# KiCad board panel.kicad_pcb (continued)
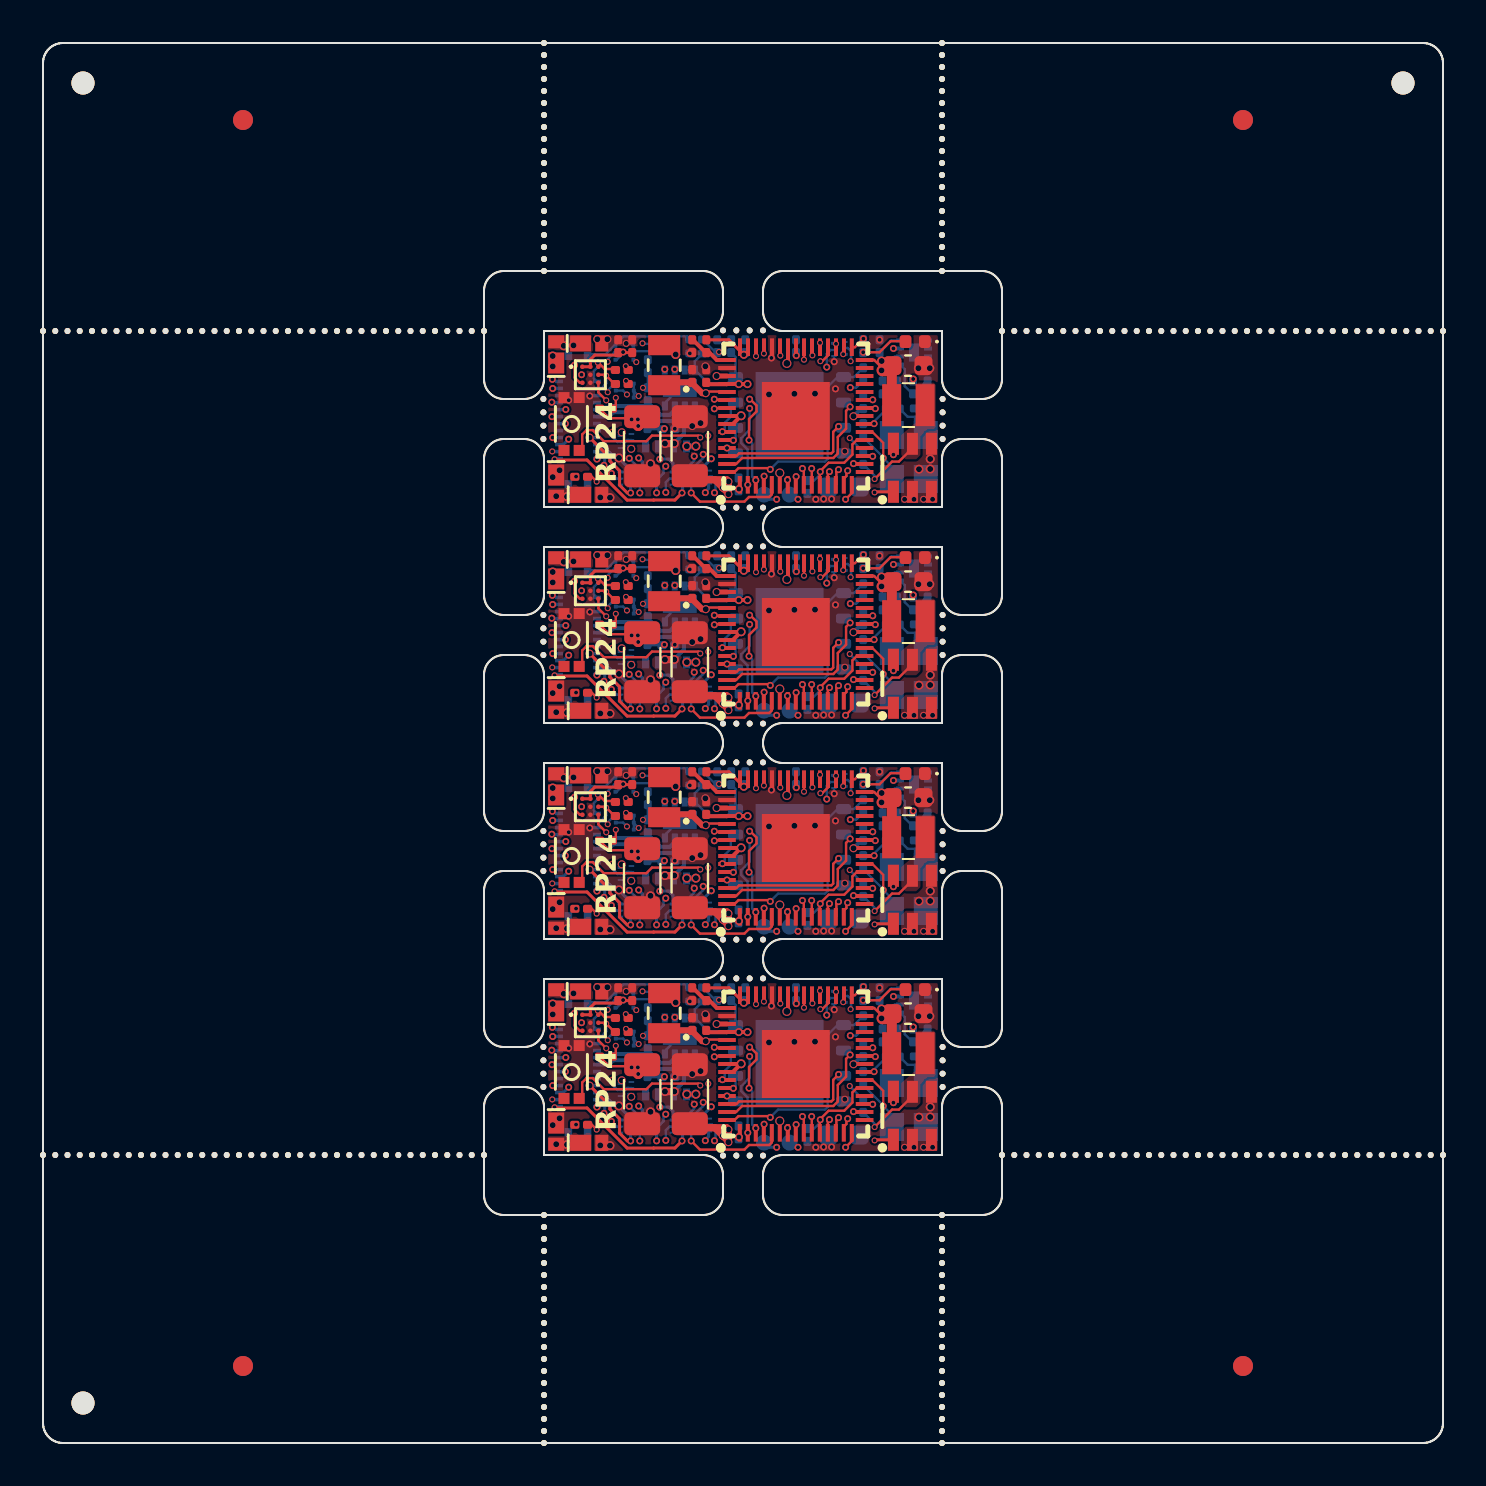
[diagram p0: board, top side]
## Nets (continued)
Board_2-Net-(Q3B-B2): Q3.5 Q4.3 R13.1
Board_2-Net-(Q3B-E2): Q3.4 Q4.5 R11#2.2
Board_2-Net-(Q4A-B1): Q4.2 R12.2
Board_2-Net-(R6-Pad2): R6#4.2 SW1#4.2
Board_2-Net-(U2-BST): C5.1 U2#2.6
Board_2-Net-(U4-GPIO19): R15#2.2 U4#2.31
Board_2-Net-(U4-VREG_AVDD): C14#4.1 R14#2.1 U4#2.46
Board_2-Net-(U4-VREG_LX): L2#2.1 U4#2.48
Board_2-unconnected-(SW1-Pad1): SW1#4.1
Board_2-unconnected-(U1-EP-Pad9): U1#4.9
Board_2-unconnected-(U1-IN+1-Pad3): U1#4.3
Board_2-unconnected-(U1-IN−1-Pad2): U1#4.2
Board_2-unconnected-(U1-OUT1-Pad1): U1#4.1
Board_2-unconnected-(U4-GPIO12-Pad16): U4#2.16
Board_2-unconnected-(U4-GPIO15-Pad19): U4#2.19
Board_2-unconnected-(U4-GPIO16-Pad27): U4#2.27
Board_2-unconnected-(U4-GPIO17-Pad28): U4#2.28
Board_2-unconnected-(U4-GPIO18-Pad29): U4#2.29
Board_2-unconnected-(U4-RUN-Pad26): U4#2.26
Board_2-VDC: D3.1 D4#2.1 D5#2.2 J3.17 R1.1
Board_3-+1V1: C9.1 C11#2.1 L2#4.2 U4#3.6 U4#3.23 U4#3.39 U4#3.50
Board_3-+3.3V: C1.2 C3#2.1 C7#2.1 C8#3.1 C10#2.2 C12#3.1 C13.1 C15#4.1 C16.1 C18#4.1 C19#4.1 C20#4.1 J3#4.18 L1#3.2 Q4#2.4 R3#4.1 R11.1 R14#4.2 U1#2.8 U2.1 U3.8 U4#3.1 U4#3.11 U4#3.20 U4#3.30 U4#3.38 U4#3.44 U4#3.45 U4#3.49 U4#3.53 U4#3.54 U5#2.A1 U5#2.A2 U6#2.7 U6#2.8
Board_3-/ADC_EMF_A: R16.1 R17#4.2 U4#3.42
Board_3-/ADC_EMF_B: R18#2.1 R19#4.2 U4#3.43
Board_3-/AUX1 (VDC): J3#4.11 Q5#3.6
Board_3-/AUX2 (VDC): J3#4.12 Q5#3.3
Board_3-/AUX3: J3#4.21 U4#3.18
Board_3-/AUX4: J3#4.20 U4#3.17
Board_3-/AUX5 (VDC): J3#4.16 Q8#2.6
Board_3-/AUX6 (VDC): J3#4.15 Q7.6
Board_3-/AUX7 (VDC): J3#4.14 Q8#2.3
Board_3-/AUX8 (VDC): J3#4.13 Q7.3
Board_3-/AUX10: J3#4.19 U4#3.14
Board_3-/AUX11: J3#4.23 U4#3.2
Board_3-/AUX12: J3#4.24 U4#3.3
Board_3-/CAP+: D6#3.2 J3#4.8 Q2.1 Q2.4
Board_3-/CAP_ENABLE: Q1#4.3 Q2.2 Q2.5 U4#3.32
Board_3-/CAP_VDC: C2.1 C17#2.1 D5.1 D6#3.1 Q2.3 Q2.6 U2.2 U2.3 U6#2.1
Board_3-/COMP_N: R3#4.2 R4#4.1 U1#2.6
Board_3-/COMP_P: R1#2.2 R2#3.1 U1#2.5
Board_3-/DCC_TTL: Q1#4.6 U4#3.33
Board_3-/GPIO2: Q8#2.2 U4#3.4
Board_3-/GPIO3: Q8#2.5 U4#3.5
Board_3-/GPIO4: Q7.5 U4#3.7
Board_3-/GPIO5: Q5#3.5 U4#3.8
Board_3-/GPIO6: Q6#2.5 U4#3.9
Board_3-/GPIO7: Q6#2.2 U4#3.10
Board_3-/GPIO8: Q5#3.2 U4#3.12
Board_3-/GPIO9: Q7.2 U4#3.13
Board_3-/GPIO25: U4#3.37 U6#2.6
Board_3-/GPIO26: U4#3.40 U6#2.5
Board_3-/I2S_BCLK: U4#3.35 U5#2.C1
Board_3-/I2S_DIN: U4#3.34 U5#2.B1
Board_3-/I2S_LRCLK: U4#3.36 U5#2.C3
Board_3-/LAMP_FRONT: J3#4.9 Q6#2.3
Board_3-/LAMP_REAR: J3#4.10 Q6#2.6
Board_3-/MOTOR_A: J3#4.6 J3#4.7 R16.2 U6#2.2
Board_3-/MOTOR_B: J3#4.4 J3#4.5 R18#2.2 U6#2.3
Board_3-/QSPI_CS: R6#2.1 U3.1 U4#3.60
Board_3-/QSPI_SCLK: U3.6 U4#3.56
Board_3-/QSPI_SD0: U3.5 U4#3.57
Board_3-/QSPI_SD1: U3.2 U4#3.59
Board_3-/QSPI_SD2: U3.3 U4#3.58
Board_3-/QSPI_SD3: U3.7 U4#3.55
Board_3-/RC_TX: R13#2.2 U4#3.15
Board_3-/SPEAKER_N: J3#4.2 R10#4.1 U5#2.B3
Board_3-/SPEAKER_P: J3#4.1 R9#2.1 U5#2.A3
Board_3-/SWCLK: J2#4.1 U4#3.24
Board_3-/SWDIO: J1.1 U4#3.25
Board_3-/SWITCH: C5#3.2 L1#3.1 U2.5
Board_3-/TRACK_LEFT: D1#4.1 D3#3.2 J3#4.X1A J3#4.X1B Q4#2.6 R7#4.2
Board_3-/TRACK_RIGHT: D2#2.1 D4#3.2 J3#4.X2A J3#4.X2B Q3#2.6
Board_3-/USB_N: R10#4.2 U4#3.52
Board_3-/USB_P: R9#2.2 U4#3.51
Board_3-/XIN: C6#2.1 U4#3.21 Y1#3.1
Board_3-/XOUT: R5#2.2 U4#3.22
Board_3-GND: C1.1 C2.2 C3#2.2 C4#4.2 C6#2.2 C7#2.2 C8#3.2 C9.2 C10#2.1 C11#2.2 C12#3.2 C13.2 C14.2 C15#4.2 C16.2 C17#2.2 C18#4.2 C19#4.2 C20#4.2 D1#4.2 D2#2.2 D7#4.1 J3#4.3 J3#4.22 Q1#4.1 Q1#4.4 Q4#2.1 Q5#3.1 Q5#3.4 Q6#2.1 Q6#2.4 Q7.1 Q7.4 Q8#2.1 Q8#2.4 R2#3.2 R4#4.2 R8.1 R17#4.1 R19#4.1 SW1.3 SW1.4 U1#2.4 U2.4 U3.4 U3.9 U4#3.41 U4#3.47 U4#3.61 U5#2.B2 U5#2.C2 U6#2.4 U6#2.9 Y1#3.2 Y1#3.4
Board_3-Net-(C4-Pad1): C4#4.1 R5#2.1 Y1#3.3
Board_3-Net-(D7-A): D7#4.2 R15.1
Board_3-Net-(Q1A-G1): Q1#4.2 R7#4.1 R8.2
Board_3-Net-(Q1B-G2): Q1#4.5 U1#2.7
Board_3-Net-(Q3A-B1): Q3#2.1 Q3#2.2 Q3#2.3 R12#3.1
Board_3-Net-(Q3B-B2): Q3#2.5 Q4#2.3 R13#2.1
Board_3-Net-(Q3B-E2): Q3#2.4 Q4#2.5 R11.2
Board_3-Net-(Q4A-B1): Q4#2.2 R12#3.2
Board_3-Net-(R6-Pad2): R6#2.2 SW1.2
Board_3-Net-(U2-BST): C5#3.1 U2.6
Board_3-Net-(U4-GPIO19): R15.2 U4#3.31
Board_3-Net-(U4-VREG_AVDD): C14.1 R14#4.1 U4#3.46
Board_3-Net-(U4-VREG_LX): L2#4.1 U4#3.48
Board_3-unconnected-(SW1-Pad1): SW1.1
Board_3-unconnected-(U1-EP-Pad9): U1#2.9
Board_3-unconnected-(U1-IN+1-Pad3): U1#2.3
Board_3-unconnected-(U1-IN−1-Pad2): U1#2.2
Board_3-unconnected-(U1-OUT1-Pad1): U1#2.1
Board_3-unconnected-(U4-GPIO12-Pad16): U4#3.16
Board_3-unconnected-(U4-GPIO15-Pad19): U4#3.19
Board_3-unconnected-(U4-GPIO16-Pad27): U4#3.27
Board_3-unconnected-(U4-GPIO17-Pad28): U4#3.28
Board_3-unconnected-(U4-GPIO18-Pad29): U4#3.29
Board_3-unconnected-(U4-RUN-Pad26): U4#3.26
Board_3-VDC: D3#3.1 D4#3.1 D5.2 J3#4.17 R1#2.1

## Via types
v1: diameter 0.45, hole 0.35, Top to Bottom, 8 vias
v2: diameter 0.4, hole 0.3, Top to Bottom, 56 vias
v3: diameter 0.3, hole 0.2, Top to Bottom, 148 vias
v4: diameter 0.4, hole 0.25, Top to Bottom, 16 vias
v5: diameter 0.35, hole 0.2, Top to Bottom, 328 vias
v6: diameter 0.45, hole 0.3, Top to Bottom, 112 vias
v7: diameter 0.35, hole 0.25, Top to Bottom, 24 vias

## Routing (per net, layer and track width the routed paths; a pad name or vN(x,y) marks a point on that pad's centre or on a via; arc(x,y) is an arc through that point)
Board_0-+1V1: length 20.5
  Top w0.12: 34.18,52.57 33.22,52.57 v2(33.14,52.49)
  Top w0.2: v2(40.52,51.34) 40.57,51.34 40.58,51.35 U4.23 ; U4.39 37.25,54.04 v1(37.19,53.98)
  Top w0.3: 31.2,53.03 C9#3.1 ; 32.46,52.99 32.96,52.49 v2(33.14,52.49)
  In1.Cu w0.3: v2(40.52,51.34) 39.62,51.34 36.84,48.56 v1(36.84,48.5) ; 37.19,53.98 36.96,53.75 34.76,53.75 33.67,52.66 33.31,52.66 v2(33.14,52.49)
  In2.Cu w0.3: v2(40.52,51.34) 40.8,51.61 40.8,52.95 40.48,53.27 37.97,53.27 37.25,53.98 v1(37.19,53.98)
  Bottom w0.2: v2(40.52,51.34) 40.91,51.72
Board_0-+3.3V: length 30.7
  Top w0.12: U4.20 40.69,50.15 40.47,49.93 40.47,49.42 40.06,49.01 39.28,49.01 38.86,48.6 v5(38.86,48.56) 38.84,48.54 U4.11 ; U4.30 41.56,54.15 41.93,53.78 v6(41.93,53.63) ; v4(35.04,54.41) 35.15,54.52 35.2,54.52 35.25,54.57 ; 29.88,51.24 28.31,51.24 R11#4.1 ; v4(34.8,47.7) 34.8,47.87
  Top w0.15: U5#4.A1 U5#4.A2 27.37,54.18 27.59,54.4 28.63,54.4 C18#2.1 C19.1 ; 34.85,54.6 34.93,54.52 35.2,54.52 ; U2#4.1 41.61,47.56 v3(41.58,47.53) ; R14.2 34.29,55.16 v4(35.04,54.41)
  Top w0.2: v4(35.23,52.95) v4(34.79,52.95) 34.79,52.95 U4.49 34.19,52.94 33.25,52.94 ; 34.49,50.95 v6(34.91,51.36) 34.89,51.35 U4.53
  Top w0.3: 41.93,53.63 v6(41.93,53.63) 41.93,54.1 v6(41.93,54.1) 41.93,53.63
  Top w0.5: 42.44,53.59 42.47,53.63 C7#4.1 ; 42.44,53.59 41.96,53.59 v6(41.93,53.63) ; 42.44,53.59 42.44,51.89 ; v3(29.76,50.85) v3(29.43,51.18)
  Bottom w0.12: v6(41.93,54.1) 41.83,54.2 C1#4.2 ; C16#4.1 38.55,48.12 38.86,48.43 v5(38.86,48.56) ; U1.8 42.41,55.12 41.83,54.54 ; U6.7 U6.8 ; U6.8 32.59,54.09 C20#3.1 ; U6.8 33.26,52.98 34.22,52.98 34.58,53.34 ; U3#3.8 34.63,54.3 C3#4.1 ; Q4#4.4 28.68,54.16 28.89,54.37 28.89,54.43 v5(29,54.55) ; v6(41.93,53.63) 41.93,53.15
  Bottom w0.15: v5(26.12,50.97) 26.12,50.97 26.11,50.97 J3#2.18
  vias: v3(29.74,51.18) v5(37.66,54.37)
Board_0-/ADC_EMF_A: length 7.7
  In3.Cu w0.12: v5(31.07,50.72) 31.07,51.26 32.79,52.98 33.83,52.98 34.66,53.81 35.57,53.81 36.05,54.28 v3(36.05,54.47)
  Bottom w0.12: R17#2.2 30.25,50.69
Board_0-/ADC_EMF_B: length 7.8
  Top w0.12: v3(35.65,54.34) U4.43
  In3.Cu w0.12: v3(35.65,54.34) 35.35,54.04 33.85,54.04 33.27,53.46 32.95,53.46 32.24,52.76 v3(30,52.76)
  Bottom w0.12: v3(30,52.76) R18#3.1 R19#2.2
Board_0-/AUX1 (VDC): length 3.9
  In1.Cu w0.15: v5(29.78,49.25) 29.78,49.2 29.43,48.84 28.08,48.84 28.06,48.86 28.06,48.87 v5(28.05,48.89)
  Bottom w0.15: v5(29.78,49.25) 29.97,49.07 29.97,48.65 30.06,48.55 Q5#2.6 ; 27.7,49.58 27.91,49.58 28.09,49.41 28.09,48.93 28.06,48.91 28.06,48.9 v5(28.05,48.89)
Board_0-/AUX2 (VDC): length 4.6
  In1.Cu w0.15: v5(30.68,47.51) 30.13,48.06 28.24,48.06 27.61,48.69 27.61,49.11 27.69,49.19 27.69,49.19 v5(27.7,49.19)
  Bottom w0.15: 27.7,49.23 27.7,49.2 v5(27.7,49.19) ; v5(30.68,47.51) 30.68,47.51 Q5#2.3
Board_0-/AUX3: length 19.5
  Top w0.12: 41.09,49.34 41.48,49.34 v5(41.48,49.33)
  In4.Cu w0.12: v5(41.48,49.33) 40.83,49.33 40.23,49.93 39.88,49.93 39.49,49.93 39.02,50.41 36.18,50.41 35.63,50.95 34.76,50.95 34.51,51.2 34.51,51.79 33.44,52.86 30.9,52.86 30.03,51.99 29.04,51.99 28.84,51.79 27.13,51.79 26.43,52.49 25.89,52.49 v5(25.44,52.04)
  Bottom w0.12: 25.8,52.02 25.48,52.02 25.47,52.04 v5(25.44,52.04)
Board_0-/AUX4: length 16.6
  Top w0.12: U4.17 40.55,48.95 v5(40.53,48.97)
  In4.Cu w0.12: v5(26.14,51.68) 26.17,51.65 26.17,51.62 26.23,51.56 28.94,51.56 29.1,51.73 31.39,51.73 31.75,51.37 33.03,51.37 33.25,51.14 33.25,51.14 34.21,51.14 34.63,50.72 35.54,50.72 36.08,50.18 38.92,50.18 39.85,49.24 40.25,49.24 v5(40.53,48.97)
  Bottom w0.12: 25.8,51.67 v5(26.14,51.68)
Board_0-/AUX5 (VDC): length 10
  In4.Cu w0.15: v5(25.48,50.27) 25.48,50.27 25.76,50.55 27.06,50.55 27.43,50.92 29.22,50.92 29.73,50.41 30.08,50.41 30.93,49.56 31.25,49.56 31.83,48.98 33.18,48.98 v5(33.41,49.21)
  Bottom w0.15: v5(33.41,49.21) 32.8,48.6 Q8#4.6
Board_0-/AUX6 (VDC): length 6.9
  In4.Cu w0.15: v5(26.29,50.19) 26.6,49.88 29.04,49.88 29.25,50.09 29.94,50.09 v5(30.84,49.19)
  Bottom w0.15: v5(30.84,49.19) 30.98,49.19 30.99,49.2 31.29,49.2 31.5,48.99 Q7#2.6 ; 25.8,49.92 26.02,49.92 v5(26.29,50.19)
Board_0-/AUX7 (VDC): length 9.5
  In4.Cu w0.15: v5(33.12,47.52) 32.64,47.99 28.31,47.99 27.15,49.15 26.36,49.15 25.91,49.6 25.45,49.6 25.44,49.6 25.44,49.6 v3(25.46,49.58)
  Bottom w0.15: Q8#4.3 33.28,47.73 33.12,47.56 v5(33.12,47.52) ; 25.8,49.58 25.46,49.58 v3(25.46,49.58)
Board_0-/AUX8 (VDC): length 8.1
  Top w0.15: v3(25.58,49.19) 25.61,49.15 27.2,49.15 29.21,47.15 30.53,47.15 30.53,47.15 31.6,47.15 v5(31.95,47.5)
  Bottom w0.15: v5(31.95,47.5) 31.98,47.53 Q7#2.3 ; 25.8,49.23 25.76,49.19 v3(25.58,49.19)
Board_0-/AUX10: length 17.3
  Top w0.12: v5(40.23,48.61) 40.17,48.55 40.17,48.35 40.04,48.22
  In4.Cu w0.12: v5(25.45,51.32) 25.45,51.33 25.45,51.33 29.03,51.33 29.2,51.5 31.29,51.5 32.09,50.7 32.09,50.69 32.31,50.48 32.61,50.48 32.73,50.59 33,50.59 33.32,50.91 34.11,50.91 34.54,50.48 34.55,50.49 35.44,50.49 35.99,49.95 38.82,49.95 39.76,49.01 39.92,49.01 40.23,48.7 v5(40.23,48.61)
  Bottom w0.12: v5(25.45,51.32) 25.46,51.33 25.8,51.33
Board_0-/AUX11: length 16
  In4.Cu w0.12: v5(25.48,52.72) 27.97,52.72 28.12,52.88 28.81,52.88 28.94,52.75 29.31,52.75 29.67,53.11 32.92,53.11 33.53,53.72 33.95,53.72 34.25,53.42 34.25,52.78 35.3,51.73 v5(35.33,51.73)
  Bottom w0.12: v5(25.48,52.72) 25.8,52.72 ; v5(35.24,47.91) 35.23,47.92 35.23,49.68 34.91,50 34.91,50.24 35.33,50.66 v5(35.33,51.73)
Board_0-/AUX12: length 17.1
  Top w0.12: v5(35.3,50.14) 35.3,51.2 35.68,51.58 35.68,51.87 35.36,52.19 v5(35.33,52.19)
  In4.Cu w0.12: v5(35.33,52.19) 35.61,52.47 35.61,53.29 35.09,53.81 34.79,53.81 34.6,54 33.57,54 33.32,54.25 32.92,54.25 32.01,53.34 30.59,53.34 30.47,53.47 28.57,53.47 28.31,53.72 28.01,53.72 27.36,53.07 25.58,53.07 v5(25.47,53.18)
  Bottom w0.12: v5(35.3,50.14) 35.46,49.98 35.46,48.32 v5(35.64,48.14)
Board_0-/CAP_ENABLE: length 16.3
  In1.Cu w0.12: v3(33.26,50.36) 33.26,50.49 33.12,50.63 32.76,50.63 32.51,50.37 30.93,50.37 30.72,50.17 28.78,50.17 28.48,50.47 v3(28.48,50.57)
  In3.Cu w0.12: v3(40.01,54.44) 40.01,52.6 39.55,52.14 39.55,52.14 38.38,50.97 33.87,50.97 v3(33.26,50.36)
  Bottom w0.12: Q2#2.2 29.2,50.15 29.1,50.05 Q2#2.5 28.73,50.05 28.55,50.23 28.55,50.5 v3(28.48,50.57)
Board_0-/CAP_VDC: length 10.9
  Top w0.35: v2(34.27,48.07) 34.27,47.44 v2(34.27,47.44) 34.27,47.49 v2(33.99,47.76) ; v2(34.27,48.07) 33.99,47.8 v2(33.99,47.76) ; v2(34.27,48.07) 34.18,48.16 32.55,48.16 33.59,48.16 v2(33.99,47.76) ; v6(31.1,49.97) 31.1,49.97 31.56,49.97 v6(31.56,49.98)
  In3.Cu w0.4: 29.54,49.94 29.58,49.98 31.56,49.98 v6(31.56,49.98) ; 29.54,49.94 29.53,49.94 v2(28.94,50.54) ; 29.54,49.94 29.41,49.81 v2(29.41,49.71)
  Bottom w0.12: v2(28.94,50.54) 28.91,50.51 28.91,50.47
  Bottom w0.2: U6.1 32.59,51.63 32.05,51.09 32.05,50.48 31.91,50.34 31.91,50.34 31.53,49.95
  vias: v7(43.08,47.19) v7(43.55,47.19) v7(44.03,47.19) v7(44.48,47.19)
Board_0-/COMP_N: length 2.5
  Bottom w0.12: U1.6 42.59,54.33 42.46,54.2 42.46,53.34 R4#3.1 ; 42.62,53.01 42.57,53.01 42.06,52.5 42.06,52.45
Board_0-/COMP_P: length 2.8
  Bottom w0.12: 42.85,53.92 43.09,53.7 43.09,52.84 43.47,52.46 43.53,52.46 ; R2#2.1 44.18,53.1 43.54,52.46 R1#3.2
Board_0-/DCC_TTL: length 0
  Bottom w0.12: v3(39.65,54.96) 39.64,54.97
Board_0-/GPIO2: length 4.6
  Top w0.12: U4.4 36.04,48.33 v5(36.05,48.34)
  In4.Cu w0.12: v5(36.05,48.34) 35.91,48.48 34.16,48.48 33.57,47.9 v5(33.57,47.51)
  Bottom w0.12: v5(33.57,47.51) 33.62,47.56 33.62,48.15 33.45,48.32 Q8#4.2
Board_0-/GPIO3: length 5.8
  Top w0.12: v5(32.41,47.51) 32.85,47.07 35.07,47.07 35.3,47.3 36.31,47.3 36.44,47.43 U4.5
  Bottom w0.12: v5(32.41,47.51) 32.41,48.09 32.54,48.22 Q8#4.5
Board_0-/GPIO4: length 8.3
  In3.Cu w0.12: v5(37.23,48.16) 37.3,48.23 37.3,48.6 36.87,49.03 36.22,49.03 35.7,48.51 34.16,48.51 33.52,47.87 31.48,47.87 v5(31.14,47.53)
  Bottom w0.12: Q7#2.5 31.33,48.22 31.14,48.03 v5(31.14,47.53)
Board_0-/GPIO5: length 10.1
  Top w0.12: U4.8 37.64,48.31 v5(37.65,48.32)
  In4.Cu w0.12: v5(37.65,48.32) 37.6,48.27 37.6,47.99 37.42,47.81 36.82,47.81 36.08,47.07 30.27,47.07 v5(29.84,47.51)
  Bottom w0.12: Q5#2.5 29.94,48.22 29.84,48.12 v5(29.84,47.51)
Board_0-/GPIO6: length 11.5
  Top w0.12: U4.9 38.04,48.66 v5(37.97,48.73)
  In4.Cu w0.12: v5(37.97,48.73) 37.67,49.03 36.22,49.03 35.91,48.72 34.06,48.72 33.58,48.24 28.66,48.24 v5(28.42,48.48)
  Bottom w0.12: Q6#3.5 28.68,48.22 v5(28.42,48.48)
Board_0-/GPIO7: length 12.2
  Top w0.12: v5(38.43,48.73) 38.44,48.72 U4.10
  In4.Cu w0.12: 38.43,48.75 38.43,48.93 38.1,49.26 36.13,49.26 35.81,48.95 33.96,48.95 33.49,48.47 30.07,48.47 v5(29.31,49.23)
  Bottom w0.12: Q6#3.2 29.64,48.32 29.72,48.4 29.72,48.82 v5(29.31,49.23)
Board_0-/GPIO8: length 10.4
  Top w0.12: v5(39.32,48.57) 39.24,48.49 U4.12
  In4.Cu w0.12: v5(31.14,48.84) 31.24,48.73 33.43,48.73 33.87,49.17 35.72,49.17 36.03,49.49 38.42,49.49 39.32,48.59 v5(39.32,48.57)
  Bottom w0.12: v5(31.14,48.84) 31.03,48.73 31.03,48.49 30.85,48.32 Q5#2.2
Board_0-/GPIO9: length 9.8
  Top w0.12: v5(39.78,48.67) 39.67,48.56 39.67,47.94
  In4.Cu w0.12: v5(33.01,49.43) 33.13,49.56 33.56,49.56 33.71,49.41 35.62,49.41 35.93,49.72 38.73,49.72 v5(39.78,48.67)
  Bottom w0.12: Q7#2.2 32.14,48.32 32.36,48.54 32.36,48.6 33.01,49.25 v5(33.01,49.43)
Board_0-/GPIO25: length 8
  Top w0.12: v3(38.05,54.17) U4.37
  In4.Cu w0.12: v3(38.05,54.17) 37.47,53.59 35.95,53.59 35.5,54.04 34.89,54.04 34.7,54.23 33.67,54.23 33.42,54.48 32.83,54.48 32.03,53.69 v5(31.59,53.69)
Board_0-/GPIO26: length 7.4
  Top w0.12: v3(36.86,54.37) 36.85,54.38 U4.40
  In4.Cu w0.12: v5(31.09,53.69) 31.09,54.44 31.52,54.87 36.29,54.87 36.86,54.3 v3(36.86,54.37)
Board_0-/I2S_BCLK: length 14.1
  Top w0.12: v5(26.58,53.89) 26.58,53.8 26.58,53.8 26.58,53.27 26.84,53.01 U5#4.C1
  In4.Cu w0.12: v3(38.85,55.01) 38.53,55.33 29.02,55.33 28.38,54.69 27.37,54.69 26.58,53.89 v5(26.58,53.89)
Board_0-/I2S_DIN: length 14.5
  Top w0.12: U4.34 39.25,54.38 38.96,54.09 v3(38.87,54.09)
  In4.Cu w0.12: v3(38.87,54.09) 38.87,54.48 38.25,55.1 30.54,55.1 29.85,54.4 29.49,54.4 29.29,54.2 28.57,54.2 28.39,54.38 27.59,54.38 26.93,53.71 v5(26.93,53.41)
Board_0-/I2S_LRCLK: length 15.8
  Top w0.12: v3(28.16,52.13) 27.77,52.53 U5#4.C3 ; U4.36 38.45,54.4 v3(38.47,54.38)
  In3.Cu w0.12: v3(38.47,54.38) 37.52,55.33 28.88,55.33 28.37,54.82 28.03,54.82 27.38,54.17 27.38,52.91 v3(28.16,52.13)
Board_0-/LAMP_FRONT: length 4.6
  Top w0.15: v2(27.33,50.27) 27.34,50.27 28.34,49.27 28.34,49.1 28.83,48.61 28.83,47.89 29.22,47.51 v5(29.38,47.51)
  Bottom w0.15: v2(27.33,50.27) 27.33,50.27 27.7,50.27 ; v5(29.38,47.51) Q6#3.3
Board_0-/LAMP_REAR: length 2
  Bottom w0.15: 27.7,49.92 27.93,49.92 28.37,49.49 28.37,49.06 28.88,48.55
Board_0-/MOTOR_A: length 5.1
  Bottom w0.2: U6.2 32.09,51.66 31.53,51.1 30.73,51.1 30.3,51.53 29.92,51.53 29.91,51.54 28.51,51.54 28.3,51.33 27.7,51.33
Board_0-/MOTOR_B: length 4.7
  Bottom w0.12: 30.43,51.84 30.24,52.03
  Bottom w0.2: 27.7,51.67 27.8,51.77 28.31,51.77 28.39,51.85 30.04,51.85 30.05,51.84 30.43,51.84 30.86,51.41 31.34,51.41 31.59,51.66 U6.3
Board_0-/QSPI_CS: length 10.4
  Top w0.12: 34.58,48.55 34.77,48.74 36.3,48.74 v5(36.36,48.68)
  Bottom w0.12: 39.72,53.3 39.23,52.8 39.23,49.2 39.1,49.07 36.75,49.07 v5(36.36,48.68) ; U3#3.1 40.54,53.3 R6#3.1
Board_0-/QSPI_SCLK: length 0.7
  Bottom w0.12: U3#3.6 34.63,50.25 v5(34.52,50.13)
Board_0-/QSPI_SD0: length 0.4
  Bottom w0.12: 34.47,49.48 v5(34.2,49.75)
Board_0-/QSPI_SD1: length 8.7
  Top w0.12: v5(40.35,51.81) 40.15,51.61 40.15,50.71 39.74,50.3 39.74,49.47 39.52,49.25 34.95,49.25 34.65,48.95 U4.59
  Bottom w0.12: v5(40.35,51.81) 40.14,52.02
Board_0-/QSPI_SD2: length 6.8
  Top w0.12: v5(39.78,50.83) 39.51,50.56 39.51,49.57 39.42,49.48 34.8,49.48 34.67,49.35 U4.58
Board_0-/QSPI_SD3: length 1.7
  Bottom w0.12: v5(33.97,50.56) 34.09,50.68 34.09,51.01 34.39,51.31 34.39,51.78 U3#3.7
Board_0-/RC_TX: length 14.6
  Top w0.12: v5(40.13,47.19) 40.44,47.49 U4.15 ; v3(27.68,48.07) 27.44,48.31 R13#4.2
  In1.Cu w0.12: v5(40.13,47.19) 39.77,47.54 36.55,47.54 36.08,47.07 29.11,47.07 28.36,47.81 27.94,47.81 v3(27.68,48.07)
Board_0-/SPEAKER_N: length 2
  Top w0.12: 28.58,52.95 v3(28.16,53.36) 28.11,53.41 U5#4.B3
  Bottom w0.12: 27.7,52.73 27.91,52.73 28.16,52.97 v3(28.16,53.36)
Board_0-/SPEAKER_P: length 2.3
  Top w0.12: 28.57,53.7 28.09,53.7 27.77,54.02 v3(27.74,54.02) 27.77,53.99 U5#4.A3
  Bottom w0.12: 27.7,53.08 27.55,53.23 27.55,53.61 27.74,53.8 v3(27.74,54.02)
Board_0-/SWCLK: length 10.1
  Top w0.15: U4.24 41.58,51.75 v5(41.62,51.72)
  In4.Cu w0.15: v5(37.75,47.19) 37.75,47.43 38.22,47.9 40.66,47.9 41.29,48.53 42.51,48.53 43.14,49.16 43.14,50.3 41.72,51.72 v5(41.62,51.72)
Board_0-/SWDIO: length 12
  Top w0.15: v5(41.49,52.16) 41.48,52.15 U4.25
  In4.Cu w0.15: v5(36.68,47.18) 36.68,47.23 37.01,47.56 37.52,47.56 38.12,48.16 40.55,48.16 41.18,48.79 42.41,48.79 42.88,49.27 42.88,50.19 41.74,51.33 41.48,51.33 41.26,51.55 41.26,51.93 v5(41.49,52.16)
  Bottom w0.15: J1#4.1 36.29,47.18 v5(36.68,47.18)
Board_0-/SWITCH: length 3.7
  Top w0.12: U2#4.5 43.47,49.74 42.79,49.07 42.45,49.07 v3(41.58,48.2)
  Bottom w0.12: v3(41.58,48.2) 41.58,48.36 C5#4.2
Board_0-/TRACK_LEFT: length 5.5
  Bottom w0.12: R7#3.2 32.19,55.33 29.02,55.33 28.62,54.93 Q4#4.6 28.55,54.86 28.13,54.44 27.33,54.44
  vias: v6(26.04,54.86) v6(26.52,54.88)
Board_0-/TRACK_RIGHT: length 8.6
  In2.Cu w0.12: v6(25.66,47.34) 25.66,47.91 26.22,48.47 26.22,49.26 25.83,49.66 25.83,50.42 25.73,50.51 25.73,51.08 25.79,51.14 25.79,51.48 25.77,51.5 25.77,51.82 25.89,51.94 25.89,52.23 26.17,52.51 26.98,52.51 27.17,52.7 28.08,52.7 v3(28.24,52.54)
  Bottom w0.12: Q3#4.6 28.58,52.97 28.24,52.63 v3(28.24,52.54)
  vias: v6(26.2,47.32)
Board_0-/USB_N: length 5.7
  Top w0.12: v5(33.57,51.71) 33.61,51.75 U4.52
  In1.Cu w0.12: v3(29.15,53.11) 29.22,53.18 30.58,53.18 31.93,51.83 33.45,51.83 v5(33.57,51.71)
Board_0-/USB_P: length 5.9
  Top w0.12: U4.51 33.6,52.15 v5(33.57,52.19)
  In1.Cu w0.12: v5(33.57,52.19) 33.45,52.07 32.03,52.07 30.68,53.42 29.56,53.42 v3(29.14,53.84)
Board_0-/XIN: length 4.6
  Top w0.11: U4.21 41.47,50.55 42.01,50.01 v5(42.01,49.25)
  Bottom w0.11: Y1.1 42.44,48.82 v5(42.01,49.25) 42.01,49.29 41.01,50.29 C6#3.1
Board_0-/XOUT: length 1.5
  Top w0.12: v5(41.55,50.97) 41.54,50.95 U4.22
  Bottom w0.12: R5.2 42.17,51.69 41.55,51.07 v5(41.55,50.97)
Board_0-GND: length 5.9
  Top w0.12: U4.41 36.45,54.28 v5(36.42,54.25)
  Bottom w0.12: 31.16,52.08 31.17,52.08 U6.9 ; v5(32.56,49.34) 32.56,49.13 32.05,48.62 Q7#2.1 ; 25.8,52.38 26.07,52.38 26.29,52.15 v5(26.29,52.14) ; 32.16,53.14 32.55,53.14 ; v7(29.16,54.98) 29.4,54.98 Q4#4.1 ; v5(39.56,54.06) 39.55,54.08 Q1#3.4
  Bottom w0.15: v6(28.8,49.25) 28.8,49.23 Q6#3.1 ; 27.7,52.38 27.36,52.38 v5(27.34,52.35) ; v6(30.38,48.96) 30.38,48.92 30.68,48.62 Q5#2.1
  vias: v2(27.72,55.19) v2(28.22,55.19) v2(32.46,50.85) v2(32.88,51) v2(33.12,53.83) v5(31.59,50.72) v5(32.34,54.48) v5(38.64,47.19) v5(39.03,47.2) v5(39.43,47.2) v5(39.62,52.71) v5(41.83,55.16) v6(27.87,47.28) v6(28.35,47.27) v6(36.3,52.43) v6(37.57,52.46) v6(38.6,52.47) v6(43.77,53.74) v6(43.8,48.69) v6(44.34,53.74) v6(44.36,49.2) v6(44.36,48.7) v7(40.09,49.59)
Board_0-Net-(C4-Pad1): length 2.9
  Bottom w0.12: 43.6,51.31 43.6,50.94 Y1.3 ; R5.1 43.23,51.31 43.79,51.31 C4#3.1
Board_0-Net-(D7-A): length 2.3
  Top w0.12: v5(41.01,54.54) 41.83,54.54 42.38,55.09 43.1,55.09
Board_0-Net-(Q1A-G1): length 9.6
  In2.Cu w0.12: v3(33.8,54.55) 34.58,55.33 39.78,55.33 40.38,54.73 v3(40.38,54.09)
  Bottom w0.12: v3(40.38,54.09) 40.4,54.11 40.4,54.59 40.24,54.75 Q1#3.2 ; 33.64,54.52 R7#3.1
Board_0-Net-(Q1B-G2): length 5.2
  In4.Cu w0.12: v5(39.19,53.79) 39.27,53.72 39.92,53.72 39.92,53.72 40.98,53.72 41.99,54.73 v5(42.52,54.73)
  Bottom w0.12: U1.7 42.6,54.73 42.6,54.73 v5(42.52,54.73) ; Q1#3.5 39.38,54.65 39.19,54.46 v5(39.19,53.79)
Board_0-Net-(Q3A-B1): length 5
  In2.Cu w0.12: v3(29.97,54.99) 29.98,54.98 29.98,53.91 29.53,53.46 29.53,52.6 v3(29.78,52.35)
  Bottom w0.12: v3(29.78,52.35) 29.54,52.59 Q3#4.1 ; R12#2.1 30,54.96 v3(29.97,54.99) ; Q3#4.2 Q3#4.3
Board_0-Net-(Q3B-B2): length 9.9
  In1.Cu w0.12: v3(26.65,48.32) 26.65,48.84 25.83,49.66 25.83,50.42 25.76,50.48 25.76,51.11 25.97,51.32 28.29,51.32 29.2,52.23 v3(29.2,52.43)
  In3.Cu w0.12: v3(29.2,52.43) 29.51,52.74 29.51,53.89 v3(29.66,54.04)
  Bottom w0.12: v3(29.2,52.43) 29,52.62 Q3#4.5 ; Q4#4.3 29.64,54.04 v3(29.66,54.04)
Board_0-Net-(Q3B-E2): length 3.2
  Top w0.12: v3(28.64,52.26) 28.64,51.89 R11#4.2
  In3.Cu w0.12: v3(28.24,54.06) 28.64,53.66 v3(28.64,52.26)
  Bottom w0.12: Q4#4.5 28.56,54.51 28.24,54.19 v3(28.24,54.06)
Board_0-Net-(Q4A-B1): length 2.2
  Bottom w0.12: Q4#4.2 29.6,54.59 31.21,54.59 R12#2.2
Board_0-Net-(R6-Pad2): length 16.6
  Top w0.12: v3(32.86,50.27) 32.77,50.37 30.45,50.37 30.17,50.09 28.04,50.09 27.49,50.65 27.18,50.65 26.96,50.43 26.96,49.78 26.96,49.78
  In3.Cu w0.12: v3(32.86,50.27) 33.09,50.04 33.94,50.04 34.63,50.74 38.47,50.74 39.78,52.04 39.78,52.05 40.36,52.63 v5(40.36,52.77)
  Bottom w0.12: R6#3.2 40.66,52.77 v5(40.36,52.77)
Board_0-Net-(U2-BST): length 3.5
  In1.Cu w0.12: v3(40.34,50.25) 41.69,50.25 v5(42.52,49.41)
  Bottom w0.12: v3(40.34,50.25) 40.34,50.24 C5#4.1
Board_0-Net-(U4-GPIO19): length 0.8
  Top w0.12: v5(41.02,55.22) 40.59,54.79 U4.31
Board_0-Net-(U4-VREG_AVDD): length 2.1
  Top w0.2: 33.14,54.52 32.5,55.16 ; R14.1 33.32,54.52 33.69,54.15 U4.46
Board_0-Net-(U4-VREG_LX): length 3.1
  Top w0.25: v2(33.68,53.35) U4.48
  In1.Cu w0.35: v6(31.63,54.43) 31.63,54.36 32.64,53.35 v2(33.68,53.35)
Board_0-VDC: length 13.3
  In3.Cu w0.12: v6(32.64,49.84) 32.67,49.81 33.65,49.81 34.06,49.41 34.34,49.41 34.95,50.01 34.95,50.28 35.18,50.51 38.57,50.51 40.01,51.95 40.01,51.95 40.48,52.42 40.61,52.42 41.39,53.2 v5(43.51,53.2)
  Bottom w0.3: v6(32.64,49.84) 32.63,49.83 32.18,49.83
  vias: v6(25.49,54.35) v6(25.49,53.83) v6(25.49,48.29) v6(25.83,48.64) v6(32.19,49.84)
Board_1-+1V1: length 20.5
  Top w0.12: 34.18,41.77 33.22,41.77 v2(33.14,41.69)